# KiCad board hermod-right.kicad_pcb (continued)
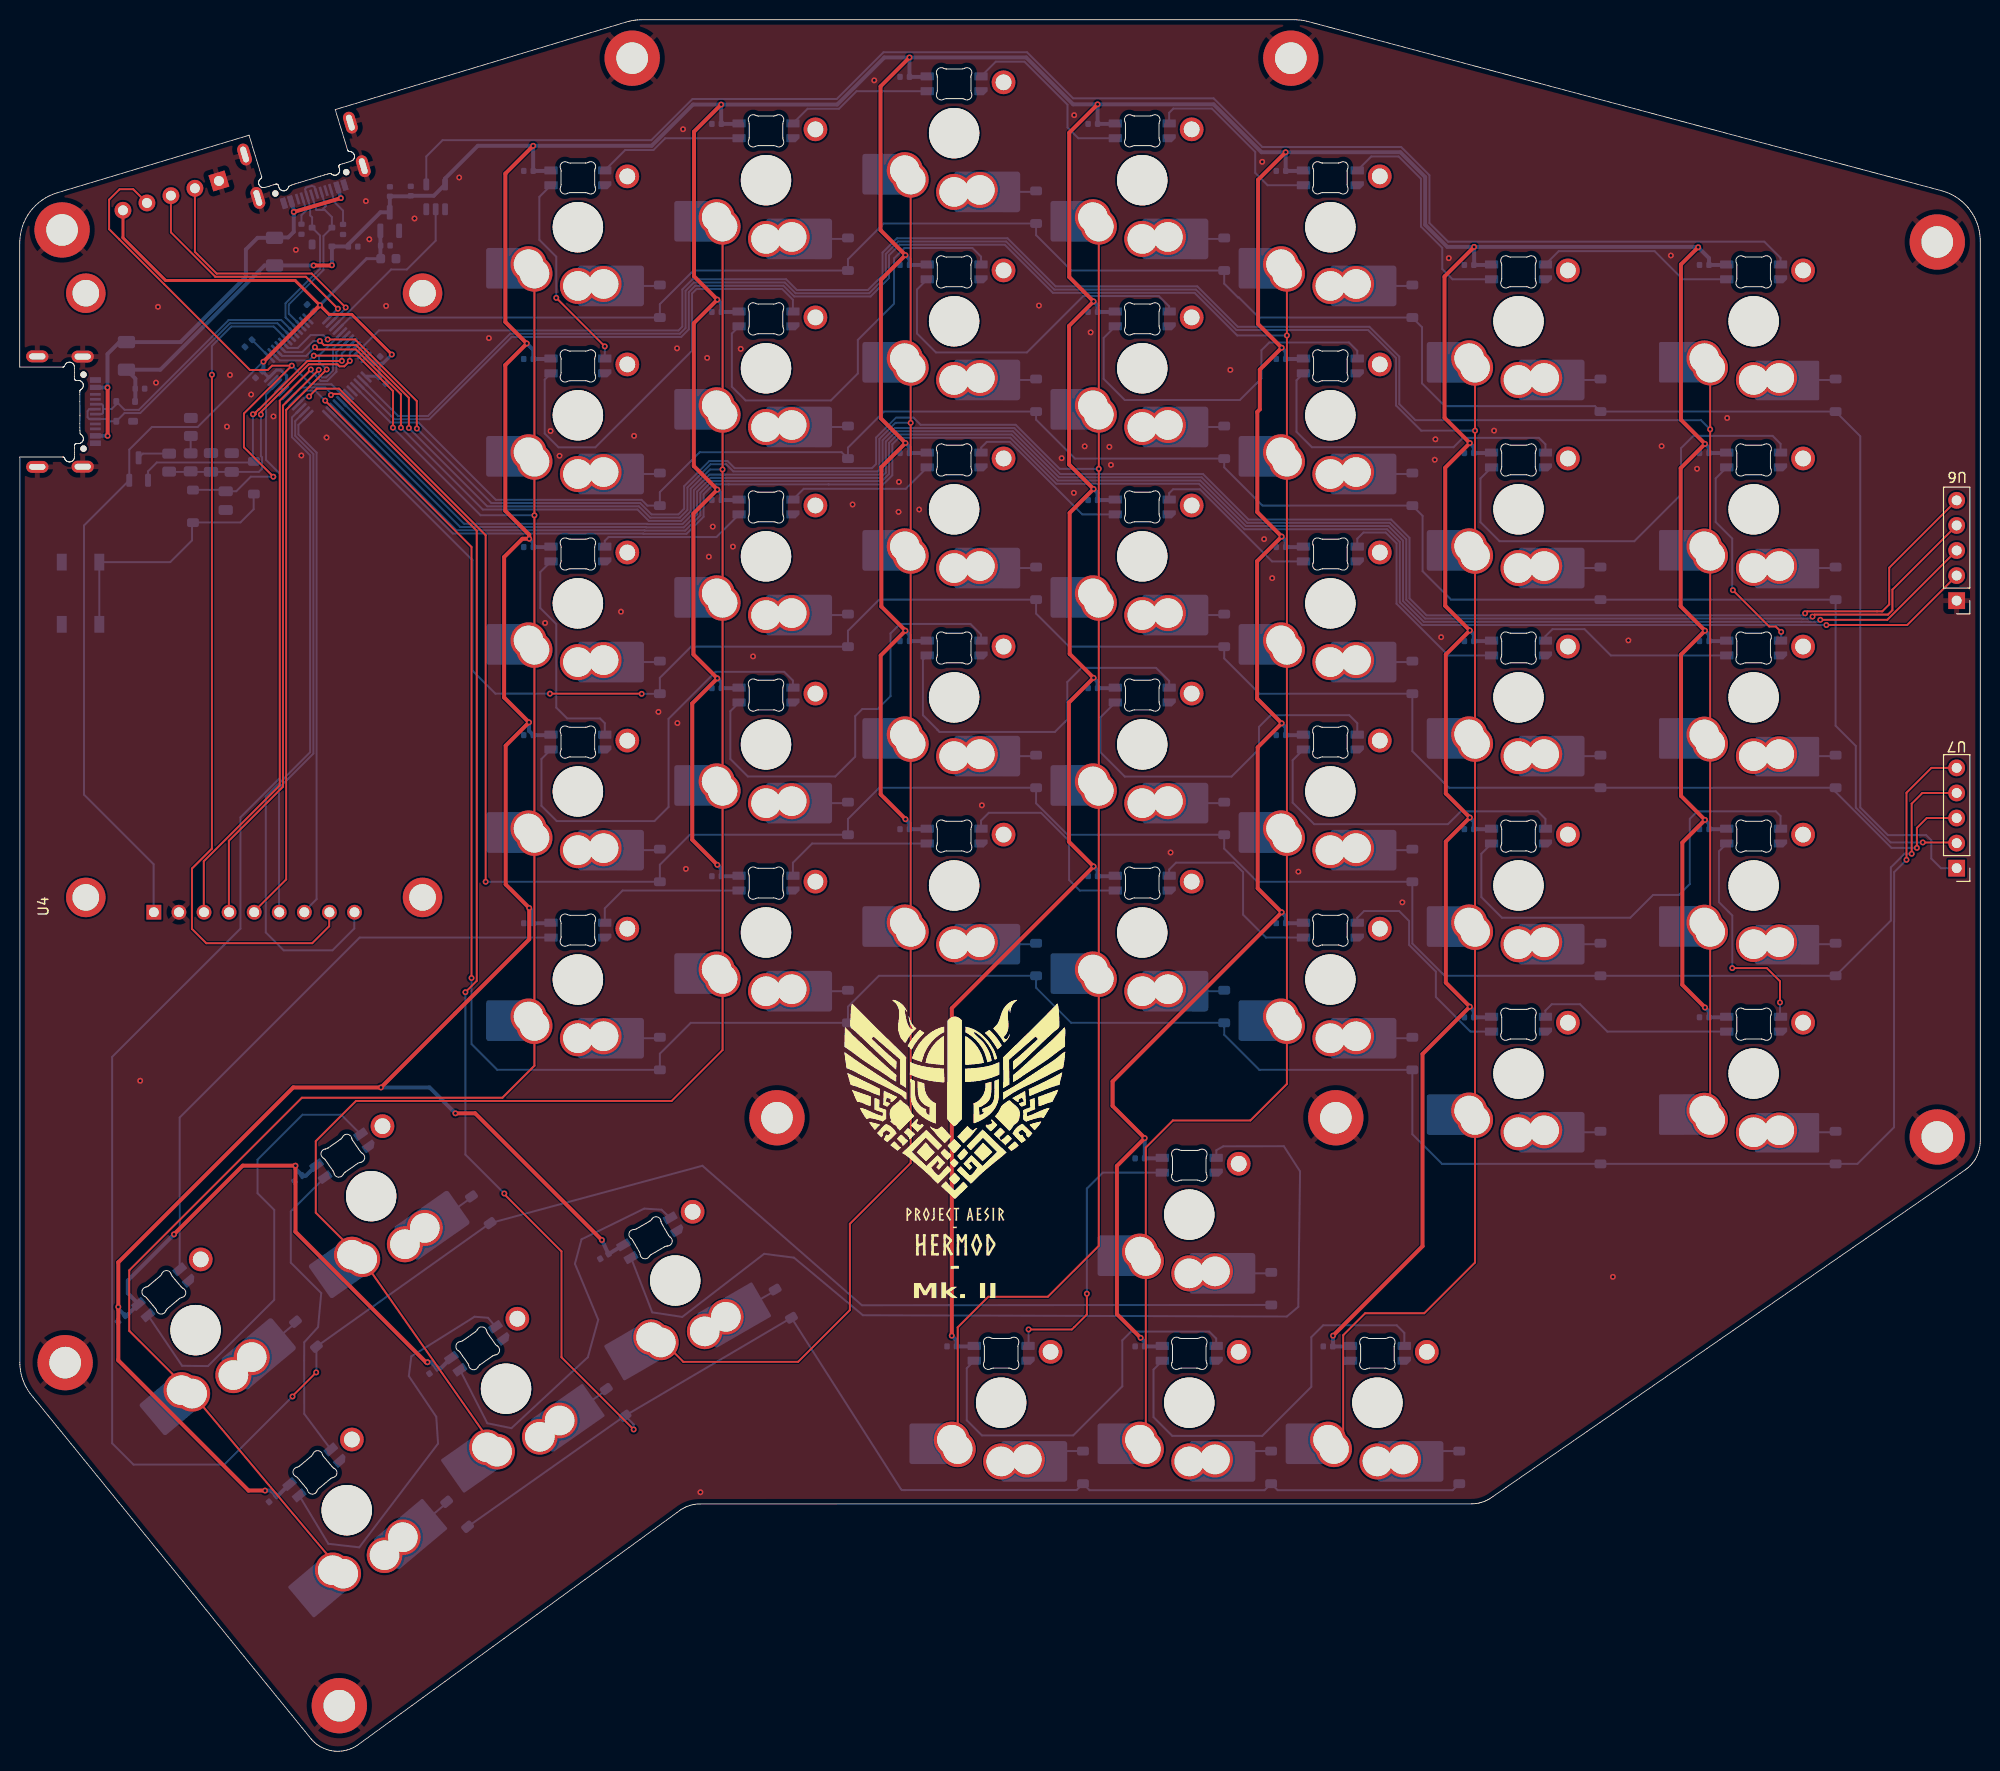
[diagram p0: board, top side]
## Footprints (pads in the part's own frame, mm; a bottom-side part is the same pattern mirrored in y, then rotated)
C_0402_1005Metric
  rrect 0.56x0.62 smd: 1(-0.48,0) 2(0.48,0)
C_0603_1608Metric
  rrect 0.9x0.95 smd: 1(-0.775,0) 2(0.775,0)
C_0805_2012Metric
  rrect 1x1.45 smd: 1(-0.95,0) 2(0.95,0)
CR2013-MI2120
  round 4 hole 2.7: (1.5,6.89) (1.5,-27.21) (62.7,6.89) (62.7,-27.21)
  rect 1.5x1.5 hole 1: 1(0,0)
  round 1.5 hole 1: 2(0,-2.54) 3(0,-5.08) 4(0,-7.62) 5(0,-10.16) 6(0,-12.7) 7(0,-15.24) 8(0,-17.78) 9(0,-20.32)
D_SOD-123
  rrect 0.9x1.2 smd: 1(-1.65,0) 2(1.65,0)
Fuse_1206_3216Metric
  rrect 1.25x1.75 smd: 1(-1.4,0) 2(1.4,0)
KS33_Choc-v2_HS_1.5U
  round 5 hole 5 unplated: (-0.005,0)
  round 5.1 hole 5.1 unplated: (0,0)
  round 3.6 hole 3: 1(4.4,-4.7) 1(4.995,-3.75) 2(-2.6,-5.75) 2(-0.005,-5.95)
  custom 4.294x4.115 smd: 1(8.24,-4.155)
  custom 6.54x4.005 smd: 2(-5.665,-6.003)
  round 2.4 hole 1.6: MP(-5.005,5.15)
KS33_Choc-v2_HS_1.5U#2
  round 5 hole 5 unplated: (-0.005,0)
  round 5.1 hole 5.1 unplated: (0,0)
  round 3.6 hole 3: 1(4.4,-4.7) 1(4.995,-3.75) 2(-2.6,-5.75) 2(-0.005,-5.95)
  custom 4.294x4.115 smd: 1(8.24,-4.155)
  custom 6.54x4.005 smd: 2(-5.665,-6.003)
  round 2.4 hole 1.6: MP(-5.005,5.15)
KS33_Choc-v2_HS_1U
  round 5 hole 5 unplated: (-0.005,0)
  round 5.1 hole 5.1 unplated: (0,0)
  round 3.65 hole 3: 1(4.4,-4.7) 1(4.995,-3.75) 2(-2.6,-5.75) 2(-0.005,-5.95)
  custom 4.027x4.12 smd: 1(8.3,-4.16)
  custom 6.685x4.12 smd: 2(-5.696,-5.952)
  round 2.4 hole 1.6: MP(-5.005,5.15)
KS33_Choc-v2_HS_1U#2
  round 5 hole 5 unplated: (-0.005,0)
  round 5.1 hole 5.1 unplated: (0,0)
  round 3.65 hole 3: 1(4.4,-4.7) 1(4.995,-3.75) 2(-2.6,-5.75) 2(-0.005,-5.95)
  custom 4.027x4.12 smd: 1(8.3,-4.16)
  custom 6.685x4.12 smd: 2(-5.696,-5.952)
  round 2.4 hole 1.6: MP(-5.005,5.15)
LED_choc_6028R
  rrect 1.35x0.82 smd: 1(-2.725,-0.75) 2(-2.725,0.75) 3(2.725,-0.75) 4(2.725,0.75)
LQFP-48_7x7mm_P0.5mm
  rrect 1.475x0.28 smd: 1(-4.162,2.75) 2(-4.162,2.25) 3(-4.162,1.75) 4(-4.162,1.25) 5(-4.162,0.75) 6(-4.162,0.25) 7(-4.162,-0.25) 8(-4.162,-0.75) 9(-4.162,-1.25) 10(-4.162,-1.75) 11(-4.162,-2.25) 12(-4.162,-2.75) 25(4.162,-2.75) 26(4.162,-2.25) 27(4.162,-1.75) 28(4.162,-1.25) 29(4.162,-0.75) 30(4.162,-0.25) 31(4.162,0.25) 32(4.162,0.75) 33(4.162,1.25) 34(4.162,1.75) 35(4.162,2.25) 36(4.162,2.75)
  rrect 0.28x1.475 smd: 13(-2.75,-4.162) 14(-2.25,-4.162) 15(-1.75,-4.162) 16(-1.25,-4.162) 17(-0.75,-4.162) 18(-0.25,-4.162) 19(0.25,-4.162) 20(0.75,-4.162) 21(1.25,-4.162) 22(1.75,-4.162) 23(2.25,-4.162) 24(2.75,-4.162) 37(2.75,4.162) 38(2.25,4.162) 39(1.75,4.162) 40(1.25,4.162) 41(0.75,4.162) 42(0.25,4.162) 43(-0.25,4.162) 44(-0.75,4.162) 45(-1.25,4.162) 46(-1.75,4.162) 47(-2.25,4.162) 48(-2.75,4.162)
MountingHole_3.2mm_M3_DIN965_Pad
  round 5.6 hole 3.2: 1(0,0)
PinHeader_1x05_P2.54mm_Vertical
  rect 1.7x1.7 hole 1: 1(0,0)
  oval 1.7x1.7 hole 1: 2(0,-2.54) 3(0,-5.08) 4(0,-7.62) 5(0,-10.16)
Pogo_2.54mm_5p
  rect 1.7x1.7 hole 1: 1(0,5.11)
  oval 1.7x1.7 hole 1: 2(0,2.57) 3(0,0.03) 4(0,-2.51) 5(0,-5.05)
R_0402_1005Metric
  rrect 0.54x0.64 smd: 1(-0.51,0) 2(0.51,0)
R_0805_2012Metric
  rrect 1.025x1.4 smd: 1(-0.912,0) 2(0.912,0)
SOT95P280X145-5N
  rrect 1.21x0.59 smd: 1(-1.255,0.95) 2(-1.255,0) 3(-1.255,-0.95) 4(1.255,-0.95) 5(1.255,0.95)
SOT-23
  rrect 1.475x0.6 smd: 1(-0.938,0.95) 2(-0.938,-0.95) 3(0.938,0)
SOT-23-3
  rrect 1.325x0.6 smd: 1(-1.137,0.95) 2(-1.137,-0.95) 3(1.137,0)
SOT-143
  rrect 0.7x1 smd: 1(-1,0.75)
  rrect 0.7x0.6 smd: 2(-1,-0.95) 3(1,-0.95) 4(1,0.95)
SW_SPST_TL3342
  rect 1.7x1 smd: 1(-3.15,1.9) 1(3.15,1.9) 2(-3.15,-1.9) 2(3.15,-1.9)
USB_C_Receptacle_HRO_TYPE-C-31-M-14
  round 0.65 hole 0.65 unplated: (-3.75,0) (3.75,0)
  rect 0.54x1.1 smd: A1(-3.2,1.2) A12(3.2,1.2) B1(3.2,1.2) B12(-3.2,1.2)
  rect 0.52x1.1 smd: A4(-2.45,1.2) A9(2.45,1.2) B4(2.45,1.2) B9(-2.45,1.2)
  rect 0.28x1.1 smd: A5(-1.25,1.2) A6(-0.25,1.2) A7(0.25,1.2) A8(1.25,1.2) B5(1.75,1.2) B6(0.75,1.2) B7(-0.75,1.2) B8(-1.75,1.2)
  oval 1.2x2.25 hole 0.6x1.65: S1(-5.595,-4.68) S1(-5.575,-0.08) S1(5.575,-0.08) S1(5.595,-4.68)

## Nets
+3V3: C45.1 C46.1 C47.1 C48.1 C49.1 C109.1 J2.5 Q3.2 U1.1 U1.20 U1.21 U1.24 U1.36 U1.48 U3.2 U4.1
+5V: C1.1 C2.1 C3.1 C4.1 C5.1 C6.1 C7.1 C8.1 C9.1 C10.1 C11.1 C12.1 C13.1 C14.1 C15.1 C16.1 C17.1 C18.1 C19.1 C20.1 C21.1 C22.1 C23.1 C24.1 C25.1 C26.1 C27.1 C28.1 C29.1 C30.1 C31.1 C32.1 C33.1 C34.1 C35.1 C36.1 C37.1 C38.1 C39.1 C40.1 C41.1 C42.1 C43.1 C44.1 C53.1 C100.1 C108.1 C110.1 F1.2 F2.2 LED1.1 LED2.1 LED3.1 LED4.1 LED5.1 LED6.1 LED7.1 LED8.1 LED9.1 LED10.1 LED11.1 LED12.1 LED13.1 LED14.1 LED15.1 LED16.1 LED17.1 LED18.1 LED19.1 LED20.1 LED21.1 LED22.1 LED23.1 LED24.1 LED25.1 LED26.1 LED27.1 LED28.1 LED29.1 LED30.1 LED31.1 LED32.1 LED33.1 LED34.1 LED35.1 LED36.1 LED37.1 LED38.1 LED39.1 LED40.1 LED41.1 LED42.1 LED43.1 LED44.1 U2.4 U3.3 U5.4 U8.5
GND: C1.2 C2.2 C3.2 C4.2 C5.2 C6.2 C7.2 C8.2 C9.2 C10.2 C11.2 C12.2 C13.2 C14.2 C15.2 C16.2 C17.2 C18.2 C19.2 C20.2 C21.2 C22.2 C23.2 C24.2 C25.2 C26.2 C27.2 C28.2 C29.2 C30.2 C31.2 C32.2 C33.2 C34.2 C35.2 C36.2 C37.2 C38.2 C39.2 C40.2 C41.2 C42.2 C43.2 C44.2 C45.2 C46.2 C47.2 C48.2 C49.2 C50.1 C51.1 C52.1 C53.2 C100.2 C108.2 C109.2 C110.2 H1.1 H2.1 H3.1 H4.1 H5.1 H6.1 H7.1 H8.1 H9.1 J1.A1 J1.A12 J1.B1 J1.B12 J1.S1 J2.1 J3.A1 J3.A12 J3.B1 J3.B12 J3.S1 LED1.4 LED2.4 LED3.4 LED4.4 LED5.4 LED6.4 LED7.4 LED8.4 LED9.4 LED10.4 LED11.4 LED12.4 LED13.4 LED14.4 LED15.4 LED16.4 LED17.4 LED18.4 LED19.4 LED20.4 LED21.4 LED22.4 LED23.4 LED24.4 LED25.4 LED26.4 LED27.4 LED28.4 LED29.4 LED30.4 LED31.4 LED32.4 LED33.4 LED34.4 LED35.4 LED36.4 LED37.4 LED38.4 LED39.4 LED40.4 LED41.4 LED42.4 LED43.4 LED44.4 R1.1 R2.2 R5.2 R9.2 RESET1.1 U1.19 U1.23 U1.35 U1.47 U2.1 U3.1 U4.2 U5.1 U6.1 U8.1 U8.3
VBUS: F1.1 F2.1 J1.A4 J1.A9 J1.B4 J1.B9 J3.A4 J3.A9 J3.B4 J3.B9
BOOT0: C50.2 C51.2 R6.2 R7.2 U1.45
BOOT0_CHRG: D45.2 Q3.1 U1.44
col0: CH1.1 CH8.1 CH15.1 CH22.1 CH29.1 CH36.1 CH38.1 U1.26
col1: CH2.1 CH9.1 CH16.1 CH23.1 CH30.1 CH37.1 CH39.1 U1.27
col2: CH3.1 CH10.1 CH17.1 CH24.1 CH31.1 CH40.1 U1.28
col3: CH4.1 CH11.1 CH18.1 CH25.1 CH32.1 CH42.1 U1.29
col4: CH5.1 CH12.1 CH19.1 CH26.1 CH33.1 CH41.1 CH43.1 U1.3
col5: CH6.1 CH13.1 CH20.1 CH27.1 CH34.1 CH44.1 U1.2
col6: CH7.1 CH14.1 CH21.1 CH28.1 CH35.1 U1.46
col7: U1.8 U6.5
col8: U1.9 U6.4
col9: U1.10 U6.3
col10: U1.11 U6.2
D+: J1.A6 J1.B6 U1.34 U2.3
D-: J1.A7 J1.B7 U1.33 U2.2
DOut1: LED1.2 LED8.3
DOut2: LED14.2 LED21.3
DOut3: LED15.2 LED22.3
DOut4: LED28.2 LED35.3
DOut5: LED29.2 LED36.3
HAND_PIN: R5.1 U1.25
LCD_BL_PWM: U1.30 U4.8
LCD_CS: U1.43 U4.3
LCD_DC: U1.41 U4.5
LCD_MISO: U1.15 U4.9
LCD_MOSI: U1.14 U4.6
LCD_RST: U1.42 U4.4
LCD_SCK: U1.13 U4.7
NRST: C52.2 D46.2 J2.4 U1.7
RGB3.3: U1.39 U8.2
RGB5v: LED7.3 U8.4
row0: D1.1 D2.1 D3.1 D4.1 D5.1 D6.1 D7.1 U1.40 U7.1
row1: D8.1 D9.1 D10.1 D11.1 D12.1 D13.1 D14.1 U1.4 U7.2
row2: D15.1 D16.1 D17.1 D18.1 D19.1 D20.1 D21.1 U1.12 U7.3
row3: D22.1 D23.1 D24.1 D25.1 D26.1 D27.1 D28.1 U1.16 U7.4
row4: D29.1 D30.1 D31.1 D32.1 D33.1 D34.1 D35.1 U1.17 U7.5
row5: D36.1 D37.1 D41.1 U1.22
row6: D38.1 D39.1 D40.1 D42.1 D43.1 D44.1 U1.18
SplitSerial-RX: J3.A6 J3.B6 U1.32 U5.3
SplitSerial-TX: J3.A7 J3.B7 U1.31 U5.2
SWCLK: J2.2 U1.38
SWD: J2.3 U1.37
Net-(D1-A): CH1.2 D1.2
Net-(D2-A): CH2.2 D2.2
Net-(D3-A): CH3.2 D3.2
Net-(D4-A): CH4.2 D4.2
Net-(D5-A): CH5.2 D5.2
Net-(D6-A): CH6.2 D6.2
Net-(D7-A): CH7.2 D7.2
Net-(D8-A): CH8.2 D8.2
Net-(D9-A): CH9.2 D9.2
Net-(D10-A): CH10.2 D10.2
Net-(D11-A): CH11.2 D11.2
Net-(D12-A): CH12.2 D12.2
Net-(D13-A): CH13.2 D13.2
Net-(D14-A): CH14.2 D14.2
Net-(D15-A): CH15.2 D15.2
Net-(D16-A): CH16.2 D16.2
Net-(D17-A): CH17.2 D17.2
Net-(D18-A): CH18.2 D18.2
Net-(D19-A): CH19.2 D19.2
Net-(D20-A): CH20.2 D20.2
Net-(D21-A): CH21.2 D21.2
Net-(D22-A): CH22.2 D22.2
Net-(D23-A): CH23.2 D23.2
Net-(D24-A): CH24.2 D24.2
Net-(D25-A): CH25.2 D25.2
Net-(D26-A): CH26.2 D26.2
Net-(D27-A): CH27.2 D27.2
Net-(D28-A): CH28.2 D28.2
Net-(D29-A): CH29.2 D29.2
Net-(D30-A): CH30.2 D30.2
Net-(D31-A): CH31.2 D31.2
Net-(D32-A): CH32.2 D32.2
Net-(D33-A): CH33.2 D33.2
Net-(D34-A): CH34.2 D34.2
Net-(D35-A): CH35.2 D35.2
Net-(D36-A): CH36.2 D36.2
Net-(D37-A): CH37.2 D37.2
Net-(D38-A): CH38.2 D38.2
Net-(D39-A): CH39.2 D39.2
Net-(D40-A): CH40.2 D40.2
Net-(D41-A): CH41.2 D41.2
Net-(D42-A): CH42.2 D42.2
Net-(D43-A): CH43.2 D43.2
Net-(D44-A): CH44.2 D44.2
Net-(D45-K): D45.1 D46.1 RESET1.2
Net-(J1-CC1): J1.A5 R1.2
Net-(J1-CC2): J1.B5 R2.1
Net-(LED1-DIN): LED1.3 LED2.2
Net-(LED2-DIN): LED2.3 LED3.2
Net-(LED3-DIN): LED3.3 LED4.2
Net-(LED4-DIN): LED4.3 LED5.2
Net-(LED5-DIN): LED5.3 LED6.2
Net-(LED6-DIN): LED6.3 LED7.2
Net-(LED8-DOUT): LED8.2 LED9.3
Net-(LED10-DIN): LED9.2 LED10.3
Net-(LED10-DOUT): LED10.2 LED11.3
Net-(LED11-DOUT): LED11.2 LED12.3
Net-(LED12-DOUT): LED12.2 LED13.3
Net-(LED13-DOUT): LED13.2 LED14.3
Net-(LED15-DIN): LED15.3 LED16.2
Net-(LED16-DIN): LED16.3 LED17.2
Net-(LED17-DIN): LED17.3 LED18.2
Net-(LED18-DIN): LED18.3 LED19.2
Net-(LED19-DIN): LED19.3 LED20.2
Net-(LED20-DIN): LED20.3 LED21.2
Net-(LED22-DOUT): LED22.2 LED23.3
Net-(LED23-DOUT): LED23.2 LED24.3
Net-(LED24-DOUT): LED24.2 LED25.3
Net-(LED25-DOUT): LED25.2 LED26.3
Net-(LED26-DOUT): LED26.2 LED27.3
Net-(LED27-DOUT): LED27.2 LED28.3
Net-(LED29-DIN): LED29.3 LED30.2
Net-(LED30-DIN): LED30.3 LED31.2
Net-(LED31-DIN): LED31.3 LED32.2
Net-(LED32-DIN): LED32.3 LED33.2
Net-(LED33-DIN): LED33.3 LED34.2
Net-(LED34-DIN): LED34.3 LED35.2
Net-(LED36-DOUT): LED36.2 LED37.3
Net-(LED37-DOUT): LED37.2 LED38.3
Net-(LED38-DOUT): LED38.2 LED39.3
Net-(LED39-DOUT): LED39.2 LED40.3
Net-(LED40-DOUT): LED40.2 LED41.3
Net-(LED41-DOUT): LED41.2 LED42.3
Net-(LED42-DOUT): LED42.2 LED43.3
Net-(LED43-DOUT): LED43.2 LED44.3
Net-(Q3-C): Q3.3 R6.1
Net-(R7-Pad1): R7.1 R9.1

Pads without a net: CH1 MP; CH2 MP; CH3 MP; CH4 MP; CH5 MP; CH6 MP; CH7 MP; CH8 MP; CH9 MP; CH10 MP; CH11 MP; CH12 MP; CH13 MP; CH14 MP; CH15 MP; CH16 MP; CH17 MP; CH18 MP; CH19 MP; CH20 MP; CH21 MP; CH22 MP; CH23 MP; CH24 MP; CH25 MP; CH26 MP; CH27 MP; CH28 MP; CH29 MP; CH30 MP; CH31 MP; CH32 MP; CH33 MP; CH34 MP; CH35 MP; CH36 MP; CH37 MP; CH38 MP; CH39 MP; CH40 MP; CH41 MP; CH42 MP; CH43 MP; CH44 MP; J1 A8 B8; J3 A5 A8 B5 B8; LED44 2; U1 5 6

## Via types
v1: diameter 0.6, hole 0.3, Top to Bottom, 176 vias

## Routing (per net, layer and track width the routed paths; a pad name or vN(x,y) marks a point on that pad's centre or on a via; arc(x,y) is an arc through that point)
+3V3: length 138.3
  Top w0.3: v1(37.68,141.47) 33.61,145.54 31.32,145.54 v1(30.4,146.46) 27.89,148.97 14.78,148.97 10.45,153.3 J2.5
  Top w0.4: v1(30.4,146.46) v1(24.68,140.74)
  Bottom w0.2: C47.1 29.79,145.85 v1(30.4,146.46) ; 13.56,85.04 13.56,89.84 6.51,96.89 6.51,124.15 Q3.2 11.09,131.84 13.39,134.13 18.02,134.13 24.63,140.74 v1(24.68,140.74) ; C48.1 36.39,139.27
  Bottom w0.3: U1.20 U1.21 27.03,138.81 27.03,139.31 26.45,139.89 25.99,139.89 U1.24 25.15,139.19 C46.1 ; v1(30.4,146.46) 35.11,151.18 C45.1 ; U1.1 35.15,139.27 36.39,139.27 36.39,140.18 v1(37.68,141.47) 36.8,140.59 C49.1 35.22,141.19 U1.48 ; U1.36 29.18,145.26 C47.1
  Bottom w0.4: 36.52,151.2 36.52,154 ; C46.1 24.68,139.91 v1(24.68,140.74)
+5V: length 1242.4
  Top w0.4: v1(169.96,152.34) 168.22,150.59 168.22,134.86 v1(170.65,132.42) 168.19,129.96 168.19,115.97 v1(170.65,113.5) 168.23,111.08 168.23,96.76 v1(170.65,94.33) 168.36,92.04 168.36,77.63 v1(170.65,75.33) ; v1(132.99,42.09) 142.05,51.16 142.05,70.62 v1(146.84,75.41) 144.41,77.85 144.41,92.14 v1(146.84,94.57) 144.41,97.01 144.41,111.09 v1(146.84,113.52) 144.35,116.02 144.35,130.01 v1(146.84,132.5) 144.28,135.07 144.28,149.37 v1(147.28,152.37) ; v1(58.95,51.78) 46.12,64.61 v1(44.12,64.61) ; v1(90.1,171.56) 87.17,168.63 87.17,154.07 v1(89.69,151.54) 87.2,149.05 87.2,135.01 v1(89.69,132.51) 87.25,130.07 87.25,115.95 v1(89.69,113.5) 87.18,110.99 87.18,96.92 v1(89.69,94.4) ; v1(24.84,26.4) 23.17,26.4 9.98,39.59 v1(9.98,45) 9.98,49.52 27.69,67.23 v1(36.58,67.23) 51.59,82.25 v1(51.59,85.41) 49.21,87.8 49.21,101.85 v1(51.57,104.21) 49.05,106.73 49.05,120.96 50.9,122.81 v1(51.59,122.81) 51.59,123.22 49.17,125.64 49.17,140.41 v1(51.35,142.59) 49.18,144.76 49.18,159.8 v1(51.99,162.61) ; v1(113.5,41.87) 111.1,44.28 111.1,59.28 v1(113.92,62.1) 110.66,65.36 110.66,67.85 v1(127.79,84.97) 125.36,87.41 125.36,101.69 v1(127.79,104.12) 125.3,106.62 125.3,120.54 v1(127.79,123.03) 125.32,125.51 125.32,135.67 125.57,135.92 125.57,139.95 v1(127.79,142.16) 125.4,144.56 125.4,159.17 v1(128.19,161.96) ; v1(15.62,52.35) 22.58,59.31 v1(27.92,59.31) 27.92,52.61 41.13,39.4 v1(41.29,39.4) ; v1(71.03,166.79) 68.28,164.04 68.28,149.4 v1(70.64,147.03) 68.26,144.65 68.26,130.18 v1(70.64,127.79) 68.22,125.37 68.22,111.1 v1(70.64,108.67) 68.1,106.13 68.1,92.33 v1(70.64,89.78) ; v1(109.15,166.81) 106.28,163.94 106.28,149.32 v1(108.74,146.85) 106.26,144.37 106.26,130.34 v1(108.74,127.85) 106.32,125.43 106.32,111.15 v1(108.74,108.72) 106.24,106.22 106.24,92.13 v1(108.74,89.62) 94.38,75.26 v1(94.38,42.09) ; v1(29.76,150.49) 31.59,150.49 v1(31.61,150.51)
  Bottom w0.2: 11.71,136.74 U5.4 ; 39.55,157.5 C53.1
  Bottom w0.4: v1(70.64,89.78) 71.05,89.38 C30.1 72.79,88.63 LED30.1 ; v1(108.74,89.62) 109.15,89.22 C32.1 110.89,88.63 LED32.1 ; LED7.1 172.81,150.54 C7.1 171.06,151.24 v1(169.96,152.34) 169.93,152.37 v1(147.28,152.37) ; v1(127.79,104.12) 128.2,103.72 C26.1 129.94,102.92 LED26.1 ; LED44.1 134.71,41.01 C44.1 132.99,41.03 v1(132.99,42.09) ; v1(15.62,52.35) 10.95,47.68 10.95,46.38 LED36.1 10.83,44.12 C36.1 9.98,44.82 v1(9.98,45) ; v1(128.19,161.96) 125.75,161.96 120.9,166.81 v1(109.15,166.81) ; v1(128.19,161.96) 139.81,161.96 142.32,159.45 142.32,154.61 144.56,152.37 v1(147.28,152.37) ; v1(128.19,161.96) 128.19,160.08 C5.1 129.94,160.07 LED5.1 ; LED11.1 110.89,145.78 C11.1 109.15,146.45 v1(108.74,146.85) ; v1(58.95,51.78) C40.1 LED40.1 ; v1(113.5,41.87) 113.91,41.47 C43.1 115.66,41.01 LED43.1 ; v1(94.38,42.09) 94.86,41.61 C42.1 96.61,41.01 LED42.1 ; C110.1 33.28,152.63 36.52,155.88 U3.3 ; v1(90.1,171.56) 87.55,171.56 82.78,166.79 v1(71.03,166.79) ; v1(90.1,171.56) C3.1 91.84,169.59 LED3.1 ; v1(90.1,171.56) 101.92,171.56 106.67,166.81 v1(109.15,166.81) ; 149.04,131.54 148.99,131.49 C13.1 147.25,132.1 v1(146.84,132.5) ; LED14.1 172.81,131.49 C14.1 171.06,132.02 v1(170.65,132.42) ; 37.48,155.96 37.48,157.5 ; v1(51.99,162.61) 63.99,162.61 68.17,166.79 v1(71.03,166.79) ; v1(51.99,162.61) 51.99,160.08 C1.1 53.74,160.07 LED1.1 ; v1(51.99,162.61) 46.38,162.61 43.07,159.3 U8.5 41.92,157.55 C53.1 ; v1(109.15,166.81) C4.1 110.89,164.83 LED4.1 ; v1(89.69,94.4) 90.1,94 C31.1 91.84,93.39 LED31.1 ; v1(36.58,67.23) 41.5,67.23 v1(44.12,64.61) ; 33.26,152.42 U2.4 31.61,152.42 v1(31.61,150.51) ; v1(108.74,108.72) 109.15,108.32 C25.1 110.89,107.68 LED25.1 ; v1(51.59,122.81) 52,122.41 C15.1 53.74,121.97 LED15.1 ; v1(27.92,59.31) 27.92,59 C37.1 28.99,58.3 LED37.1 ; 149.04,150.59 148.99,150.54 C6.1 147.28,150.57 v1(147.28,152.37) ; LED8.1 53.74,141.02 C8.1 52,141.94 v1(51.35,142.59) ; v1(108.74,127.85) 109.15,127.45 C18.1 110.89,126.73 LED18.1 ; v1(70.64,108.67) 71.05,108.27 C23.1 72.79,107.68 LED23.1 ; v1(146.84,75.41) 147.25,75.01 C34.1 148.99,74.34 149.04,74.39 ; v1(113.92,62.1) 113.92,60.06 C41.1 115.66,60.06 LED41.1 ; LED12.1 129.94,141.02 C12.1 128.2,141.76 v1(127.79,142.16) ; LED22.1 53.74,102.92 C22.1 51.57,103.35 v1(51.57,104.21) ; v1(70.64,147.03) 71.05,146.63 C9.1 72.79,145.78 LED9.1 ; LED19.1 129.94,121.97 C19.1 128.2,122.63 v1(127.79,123.03) ; v1(146.84,94.57) 147.25,94.17 C27.1 148.99,93.39 149.04,93.44 ; LED24.1 91.84,112.44 C24.1 90.1,113.1 v1(89.69,113.5) ; LED35.1 172.81,74.34 C35.1 171.06,74.93 v1(170.65,75.33) ; LED10.1 91.84,150.54 C10.1 90.1,151.14 v1(89.69,151.54) ; v1(146.84,113.52) 147.25,113.12 C20.1 148.99,112.44 149.04,112.49 ; v1(24.84,26.4) 25.46,26.4 C38.1 26.13,25.88 LED38.1 ; v1(71.03,166.79) 71.03,164.85 C2.1 72.79,164.83 LED2.1 ; LED29.1 53.74,83.87 C29.1 52,85.01 v1(51.59,85.41) ; LED16.1 72.79,126.73 C16.1 71.05,127.39 v1(70.64,127.79) ; LED21.1 172.81,112.44 C21.1 171.06,113.1 v1(170.65,113.5) ; v1(41.29,39.4) 41.66,39.4 C39.1 42.64,38.8 LED39.1 ; LED28.1 172.81,93.39 C28.1 171.06,93.93 v1(170.65,94.33) ; 11.71,136.74 11.71,139.03 F2.2 14.23,139.93 24.79,150.49 F1.2 v1(29.76,150.49) ; v1(127.79,84.97) 128.2,84.57 C33.1 129.94,83.87 LED33.1 ; C108.1 39.55,157.5 ; LED17.1 91.84,131.49 C17.1 90.1,132.11 v1(89.69,132.51)
GND: length 0.8
  Bottom w0.4: 24.65,156.79 J1.S1
  vias: v1(12.2,67.91) v1(13.8,138.62) v1(14,146.3) v1(20.98,134.17) v1(21.29,139.4) v1(23.43,137.42) v1(25.69,135.2) v1(27.96,152.07) v1(28.52,131.24) v1(31.07,133.06) v1(35.05,157.01) v1(35.4,153.14) v1(37.1,146.39) v1(39.98,155.25) v1(44.5,159.4) v1(47.51,143.13) v1(53.2,114.28) v1(53.75,133.72) v1(54.66,131.21) v1(60.88,115.42) v1(62.21,133.23) v1(64.68,105.27) v1(66.56,142.1) v1(66.6,104.14) v1(67.17,164.29) v1(67.46,89.37) v1(68.93,26.23) v1(69.61,141.13) v1(69.78,120.99) v1(70.18,124.04) v1(72.22,122.01) v1(73.01,142.04) v1(74.26,110.89) v1(84.34,126.28) v1(86.53,169.24) v1(88.99,125.53) v1(89.03,128.57) v1(91.08,125.77) v1(97.43,95.81) v1(103.21,146.43) v1(105.51,130.97) v1(106.78,165.71) v1(106.74,127.46) v1(107.84,132.17) v1(108.44,143.71) v1(110.34,132.12) v1(110.5,130.29) v1(116.54,91.03) v1(122.59,139.91) v1(125.82,160.99) v1(126.01,122.77) v1(126.83,118.82) v1(129.48,89.09) v1(140.01,85.98) v1(143.29,130.81) v1(143.36,132.88) v1(143.94,112.84) v1(144.71,151.23) v1(149.3,133.76) v1(161.33,48.05) v1(162.9,112.51) v1(166.26,132.19) v1(167.2,151.5) v1(169.85,129.9) v1(172.9,135.04)
VBUS: length 45.7
  Top w0.2: 8.9,138.11 v1(8.89,138.12)
  Top w0.4: v1(27.75,155.91) v1(32.52,157.31) ; v1(8.9,133.23) 8.9,138.11
  Bottom w0.2: 7.67,138.12 J3.A9 ; 10.13,142.93 10.15,142.95 ; 8.89,133.24 v1(8.9,133.23)
  Bottom w0.4: J3.A4 8.89,133.24 ; F1.1 24.08,153.29 22.9,152.11 22.9,149.35 16.29,142.73 F2.1 10.1,142.73 8.89,141.52 v1(8.89,138.12) 7.67,138.12 ; J1.A4 27.75,156.09 v1(27.75,155.91) 27.75,155.46 27.75,155.46 27.75,153.9 27.19,153.33 25.82,153.33 ; v1(32.52,157.31) J1.A9
BOOT0: length 28.3
  Top w0.2: v1(24.42,135.39) 24.42,135.64 29.26,140.49 32.18,140.49 32.39,140.27 32.86,140.27 v1(33.42,140.83)
  Bottom w0.2: v1(24.42,135.39) 24.42,131.18 24.54,131.06 24.54,129.91 24.21,129.58 C50.2 15.15,129.58 R6.2 ; U1.45 33.42,141.66 v1(33.42,140.83)
BOOT0_CHRG: length 30.5
  Top w0.2: v1(32.62,140.83) 32.6,140.81 29.13,140.81 24.23,135.92 24.2,135.92 23.89,135.61 23.89,135.42 v1(23.61,135.42)
  Bottom w0.2: Q3.1 12.99,129.65 13.88,130.54 23.69,130.54 23.61,130.61 v1(23.61,135.42) ; v1(32.62,140.83) 32.62,141.57 U1.44
col0: length 204.6
  Top w0.2: v1(37.79,134.07) 37.79,137.78 34.22,141.36 v1(29.78,141.36) ; CH38.1 CH36.1 11.09,42.59 11.09,48.71 28.57,66.19 48.88,66.19 52.12,69.43 CH29.1 CH22.1 CH15.1 v1(52.12,125.18) CH8.1 CH1.1
  Bottom w0.2: v1(29.78,141.36) 29.29,140.87 26.32,140.87 U1.26 ; v1(52.12,125.18) 52.11,125.19 46.66,125.19 v1(37.79,134.07)
col1: length 224.6
  Top w0.2: CH2.1 CH9.1 CH16.1 CH23.1 CH30.1 71.17,71.02 66.01,65.87 34.05,65.87 29.98,61.79 29.98,54.55 CH37.1 CH39.1 ; v1(38.6,134.07) 38.6,137.44 34.05,141.98 30.12,141.98 v1(29.89,142.21)
  Bottom w0.2: v1(71.17,129.83) 69.9,129.83 67.94,127.87 67.94,125.59 66.97,124.62 63.7,124.62 62.56,125.77 46.9,125.77 v1(38.6,134.07) ; v1(29.89,142.21) 29.01,141.33 26.57,141.33 U1.27
col2: length 220.7
  Top w0.2: CH3.1 CH10.1 v1(90.22,134.55) CH17.1 CH24.1 CH31.1 90.22,59.58 84.06,53.42 84.06,44.68 78.82,39.44 67.2,39.44 65.23,41.41 CH40.1 ; v1(30.39,142.84) 30.81,142.42 34.08,142.42 39.41,137.09 v1(39.41,134.03)
  Bottom w0.2: U1.28 26.89,141.72 28.6,141.72 29.73,142.84 v1(30.39,142.84) ; v1(90.22,134.55) 88.67,134.55 87.05,132.93 87.05,129.79 86.89,129.63 72.26,129.63 71.53,130.36 69.97,130.36 67.61,128 67.61,125.72 66.84,124.95 63.84,124.95 62.69,126.1 47.34,126.1 v1(39.41,134.03)
col3: length 235.4
  Top w0.2: CH4.1 CH11.1 CH18.1 CH25.1 CH32.1 109.27,51.19 104.11,46.03 98.08,46.03 94.98,42.94 CH42.1 ; v1(31.18,143) 33.96,143 40.21,136.75 v1(40.21,133.97)
  Bottom w0.2: v1(109.27,129.89) 105.31,129.89 100.85,134.35 91.23,134.35 90.5,135.08 88.74,135.08 86.72,133.06 86.72,130.38 86.3,129.96 72.4,129.96 71.67,130.69 69.83,130.69 67.28,128.14 67.28,125.86 66.7,125.28 63.98,125.28 62.83,126.43 47.76,126.43 v1(40.21,133.97) ; v1(31.18,143) 30.74,143.44 29.46,143.44 28.15,142.14 27.18,142.14 U1.29
col4: length 240.6
  Top w0.2: CH43.1 CH41.1 114.03,61.15 116.78,63.89 124.62,63.89 128.32,67.59 CH33.1 CH26.1 CH19.1 CH12.1 v1(128.32,143.4) CH5.1
  Bottom w0.2: U1.3 37.93,134.92 41.48,134.92 49.81,143.25 66.98,143.25 67.75,144.02 67.75,147.79 68.4,148.44 77.34,148.44 78.42,147.35 86.16,147.35 88.03,149.22 88.03,151.53 89.09,152.59 99.75,152.59 104.62,147.72 118.97,147.72 123.29,143.4 v1(128.32,143.4)
col5: length 255.6
  Top w0.2: CH44.1 134.02,31.54 134.02,42.14 136.24,44.36 142.23,44.36 147.37,49.5 CH34.1 CH27.1 CH20.1 CH13.1 v1(147.37,133.76) CH6.1
  Bottom w0.2: v1(147.37,133.76) 141.92,133.76 139.37,136.31 139.37,141.12 136.54,143.95 123.2,143.95 119.11,148.05 104.76,148.05 99.89,152.92 88.96,152.92 87.7,151.66 87.7,149.36 86.02,147.68 78.56,147.68 77.47,148.77 68.27,148.77 67.42,147.93 67.42,144.16 66.85,143.58 49.67,143.58 41.34,135.25 38.31,135.25 U1.2
col6: length 233
  Top w0.2: CH35.1 CH28.1 CH21.1 CH14.1 v1(171.18,133.89) CH7.1
  Bottom w0.2: U1.46 36.37,143.91 66.71,143.91 67.1,144.3 67.1,148.06 68.13,149.1 77.61,149.1 78.69,148.01 85.89,148.01 87.37,149.49 87.37,151.8 88.82,153.25 100.02,153.25 104.89,148.38 119.24,148.38 123.34,144.28 136.68,144.28 139.7,141.26 139.7,136.45 141.32,134.82 170.25,134.82 v1(171.18,133.89)
col7: length 194.3
  Top w0.2: U6.5 189.31,119.87 189.31,116.16 188.6,115.46 180.99,115.46 v1(180.79,115.26)
  Bottom w0.2: U1.8 35.73,133.58 35.73,133.58 36.04,133.27 36.05,133.27 44.99,124.33 63.54,124.33 63.57,124.3 67.11,124.3 68.27,125.45 68.27,127.73 69.84,129.31 70.95,129.31 70.95,129.31 71.39,129.31 71.39,129.31 87.03,129.31 87.38,129.65 87.38,132.79 88.61,134.03 100.71,134.03 105.37,129.37 119.82,129.37 124.43,124.76 138.87,124.76 140.73,122.9 140.73,116.78 142.45,115.06 180.59,115.06 v1(180.79,115.26)
col8: length 192.8
  Top w0.2: U6.4 189.64,117.66 189.64,115.59 189.18,115.13 181.75,115.13 v1(181.55,114.93)
  Bottom w0.2: v1(181.55,114.93) 181.35,114.73 181.01,114.73 181.01,114.73 180.57,114.73 142.31,114.73 140.4,116.64 140.4,122.76 138.74,124.43 124.3,124.43 119.69,129.04 105.24,129.04 100.58,133.7 88.75,133.7 87.7,132.66 87.7,129.52 87.17,128.98 71.52,128.98 71.52,128.98 70.81,128.98 70.81,128.98 69.98,128.98 68.59,127.6 68.59,125.32 67.25,123.97 63.43,123.97 63.4,124 44.61,124 U1.9
col9: length 191
  Top w0.2: U6.3 189.12,114.6 v1(182.33,114.6)
  Bottom w0.2: U1.10 44.23,123.67 63.27,123.67 63.3,123.64 67.38,123.64 68.92,125.18 68.92,127.46 70.11,128.65 70.68,128.65 70.68,128.65 71.66,128.65 71.66,128.65 87.3,128.65 88.03,129.38 88.03,132.52 88.88,133.37 100.44,133.37 105.1,128.71 119.55,128.71 124.16,124.1 138.6,124.1 140.08,122.63 140.08,116.51 142.18,114.4 180.44,114.4 181.15,114.4 181.15,114.4 181.33,114.4 181.33,114.4 181.76,114.4 182.14,114.4 v1(182.33,114.6)
col10: length 190.5
  Top w0.2: U6.2 191.13,114.07 v1(182.95,114.07)
  Bottom w0.2: U1.11 43.85,123.34 63.13,123.34 63.16,123.31 67.52,123.31 69.25,125.04 69.25,127.32 70.25,128.32 70.54,128.32 70.54,128.32 71.8,128.32 71.8,128.32 81.91,128.32 81.92,128.31 87.43,128.31 88.36,129.24 88.36,132.38 89.02,133.04 100.31,133.04 104.97,128.38 119.42,128.38 124.03,123.77 138.47,123.77 139.75,122.49 139.75,116.37 142.04,114.07 180.3,114.07 180.3,114.07 181.9,114.07 181.9,114.07 182.11,114.07 182.55,114.07 182.55,114.07 v1(182.95,114.07)
D+: length 18.9
  Bottom w0.2: 29.56,157.65 29.92,156.51 30.03,156.11 30.6,156.11 ; 30.51,157.95 30.98,156.51 30.98,156.49 30.6,156.11 ; 30.6,156.11 30.9,156.11 31.61,155.4 U2.3 30.76,153.47 30.76,150.04 27.24,146.53 27.24,145.61 U1.34
D-: length 18.4
  Bottom w0.2: U1.33 26.92,145.23 26.92,146.67 30.41,150.16 30.41,153.52 U2.2 29.61,155.36 29.4,155.57 29.4,156.43 29.08,157.51 ; 29.08,157.51 28.89,158.21 28.98,158.38 29.59,158.57 29.84,158.46 30.04,157.8
DOut1: length 20.8
  Top w0.2: v1(54.33,147.21) v1(59.24,142.3)
  Bottom w0.2: LED1.2 52.62,157.44 52.62,153.08 54.33,151.37 v1(54.33,147.21) ; v1(59.24,142.3) LED8.3
DOut2: length 21.2
  Top w0.2: v1(173.48,117.6) 177.16,113.92 177.83,113.92 v1(178.37,113.38)
  Bottom w0.2: LED21.3 178.37,112.56 v1(178.37,113.38) ; LED14.2 171.74,128.93 171.74,124.5 173.41,122.83 173.41,117.67 v1(173.48,117.6)
DOut3: length 22.7
  Bottom w0.2: LED22.3 59.24,104.13 58.76,104.61 55.43,104.61 54.33,105.71 54.33,114.17 52.71,115.79 52.71,119.43 LED15.2
DOut4: length 22.5
  Top w0.2: v1(178.25,75.84) 178.25,77.99 176.92,79.32 v1(173.42,79.32)
  Bottom w0.2: v1(173.42,79.32) 173.42,84.65 172.07,86 172.07,91.16 LED28.2 ; v1(178.25,75.84) 178.25,74.45 LED35.3
DOut5: length 60.5
  Bottom w0.2: LED36.3 16.2,64.19 34.42,82.42 LED29.2
HAND_PIN: length 2.5
  Bottom w0.2: R5.1 25.29,141.2 U1.25
LCD_BL_PWM: length 85.6
  Top w0.2: v1(19.46,139.42) 19.46,91.43 17.44,89.41 17.44,83.29 18.89,81.84 29.62,81.84 31.34,83.56 31.34,85.04
  Bottom w0.2: U1.30 25.71,144.31 21.43,144.31 19.46,142.34 v1(19.46,139.42)
LCD_CS: length 66.7
  Top w0.2: v1(29.48,139.95) 29.48,139.94 26.33,136.79 26.33,97.83 18.64,90.14 18.64,85.04
  Bottom w0.2: U1.43 32.06,141.72 32.06,139.73 32.06,139.73 31.17,138.84 31.17,138.84 31.12,138.79 30.5,138.79 30.46,138.84 30.45,138.84 29.95,139.34 29.95,139.34 29.48,139.81 v1(29.48,139.95)
LCD_DC: length 62.9
  Top w0.2: 23.72,85.04 26.98,88.31 26.98,135.86 31.08,139.96 v1(31.08,139.96)
  Bottom w0.2: v1(31.08,139.96) 30.31,140.73 30.31,141.38 U1.41
LCD_MISO: length 68.4
  Bottom w0.2: U1.15 27.57,135.1 27.57,133.1 29.41,131.26 29.41,101.19 24.92,96.7 24.92,82.93 26.73,81.12 31.67,81.12 33.88,83.33 33.88,85.04
LCD_MOSI: length 53.2
  Bottom w0.2: U1.14 27.89,134.72 27.89,133.24 29.73,131.4 29.73,101.05 26.26,97.57 26.26,85.04
LCD_RST: length 64.9
  Top w0.2: 21.18,85.04 21.18,92.22 26.65,97.7 26.65,136.3 v1(30.28,139.92)
  Bottom w0.2: v1(30.28,139.92) 30.28,139.47 30.59,139.16 31.03,139.16 31.73,139.86 31.73,142.09 U1.42
LCD_SCK: length 51.9
  Bottom w0.2: U1.13 28.22,134.34 28.22,133.38 30.06,131.53 30.06,86.31 28.8,85.04
NRST: length 62.6
  Top w0.2: v1(25.68,129.1) 22.7,132.08 22.7,135.5 v1(27.55,140.35) 25.55,140.35 25.11,139.9 23.31,139.9 14.62,148.6 14.62,148.6 10.07,153.14 9.05,154.17 9.05,157.15 10.11,158.21 11.49,158.21 J2.4
  Bottom w0.2: v1(27.55,140.35) 27.58,140.35 29.46,138.46 31.56,138.46 U1.7 ; v1(25.68,129.1) 23.4,129.1 21.93,127.62 C52.2 20.79,127.62 20.64,127.77 17.45,127.77
RGB3.3: length 17
  Bottom w0.2: U1.39 37.6,150.08 39.2,150.08 42.12,153.01 U8.2
RGB5v: length 156.5
  Bottom w0.2: LED7.3 178.31,151.26 176.66,152.9 144.64,152.9 142.75,154.79 142.75,159.63 139.89,162.49 125.83,162.49 120.89,167.42 106.66,167.42 102,172.09 87.47,172.09 82.73,167.35 68.12,167.35 63.95,163.18 42.82,163.18 41.17,161.53 U8.4
row0: length 224.8
  Bottom w0.2: U7.1 194.55,89.44 193.57,90.42 193.57,92.27 193.05,92.79 189.18,92.79 186.38,95.59 186.38,133.2 D7.1 D6.1 159.52,136.24 144.31,136.24 142,138.55 142,144.24 D5.1 125.48,145.22 123.45,147.25 123.37,147.25 121.97,148.65 D4.1 106.5,149.98 102.92,153.56 D3.1 87.49,154.74 83.87,151.12 D2.1 68.23,149.98 64.82,146.57 D1.1 33.44,145.22 U1.40
row1: length 206.6
  Top w0.2: v1(192.71,92.05) 196.07,92.05 U7.2
  Bottom w0.2: U1.4 37.55,134.59 40.37,134.59 48.21,126.75 62.97,126.75 63.55,126.17 D8.1 64.82,127.53 68.87,131.58 83.22,131.58 D9.1 83.87,132.04 87.52,135.69 D10.1 102.92,134.87 106.86,130.93 D11.1 121.97,130.04 125.84,126.17 D12.1 142.06,125.13 142.06,119.52 144.94,116.64 D13.1 D14.1 183.88,103.87 185.93,101.82 185.93,95.58 189.45,92.05 v1(192.71,92.05)
row2: length 207.1
  Top w0.2: v1(192.11,91.5) 192.11,93.53 193.11,94.52 U7.3 ; v1(53.69,107.12) 62.96,107.12 v1(62.98,107.1)
  Bottom w0.2: v1(192.11,91.5) 189.54,91.5 183.88,97.16 D21.1 D20.1 144.72,97.59 141.02,101.29 D19.1 125.54,107.12 121.97,110.69 D18.1 106.27,111.88 102.92,115.23 D17.1 87.02,116.64 83.87,113.49 D16.1 67.98,111.88 64.82,108.72 D15.1 64.8,107.1 v1(62.98,107.1) ; v1(53.69,107.12) 48.17,107.12 45.85,109.44 45.85,120.64 U1.12
row3: length 243
  Top w0.2: v1(191.59,90.9) 191.59,95.98 192.67,97.06 U7.4 ; v1(29.3,137.22) 29.3,137.23 30.08,138.02 32.34,138.02 47.18,123.18 v1(47.18,88.07)
  Bottom w0.2: v1(191.59,90.9) 191.57,90.91 190.87,90.91 189.48,89.52 189.48,84.14 D28.1 D27.1 144.29,78.54 141.02,81.81 141.02,88.07 125.32,88.07 121.97,91.42 D25.1 106.1,92.83 102.92,96.01 D24.1 87.04,97.59 83.87,94.42 D23.1 67.86,92.83 64.82,89.79 64.82,88.07 v1(47.18,88.07) ; U1.16 28.98,137.22 v1(29.3,137.22)
row4: length 281.5
  Top w0.2: U7.5 193.58,99.6 191.06,97.08 v1(191.06,90.29) ; v1(45.75,78.32) 45.75,121.98 30.93,136.79 v1(30.93,136.81)
  Bottom w0.2: v1(45.75,78.32) 45.75,71.62 48.35,69.02 D29.1 64.82,70.65 67.95,73.78 D30.1 83.87,75.41 87,78.54 D31.1 102.92,77.33 106.47,73.78 D32.1 121.97,72.57 125.52,69.02 D33.1 141.02,62.49 144.02,59.49 D34.1 D35.1 186.09,59.49 189.8,63.2 189.8,84 189.81,84.01 189.81,89.04 v1(191.06,90.29) ; v1(30.93,136.81) 30.92,136.81 29.92,137.81 28.86,137.81 U1.17
row5: length 250.2
  Top w0.2: v1(30.02,38.37) 27.62,35.97 v1(27.62,35.93)
  Bottom w0.2: D41.1 85.28,45.17 69.13,59.3 D37.1 D36.1 30.04,38.4 v1(30.02,38.37) ; U1.22 24.94,137.43 24.94,135.62 24.95,135.61 24.95,135.18 24.94,135.17 24.94,130.79 26.36,129.37 26.36,98.6 22.35,94.59 22.35,83.32 9.36,70.33 9.36,31.2 11.52,29.03 20.72,29.03 v1(27.62,35.93)
row6: length 243.7
  Top w0.2: v1(45.13,76.88) 46.28,78.03 46.28,123.62 32.4,137.49 31.63,137.49 v1(31.51,137.37) ; v1(49.07,56.49) 49.07,56.42 54.86,50.63 54.86,39.9 v1(62.17,32.59)
  Bottom w0.2: U1.18 28.48,138.14 30.92,138.14 31.51,137.55 v1(31.51,137.37) ; v1(45.13,76.88) 45.13,60.43 v1(49.07,56.49) ; D38.1 D39.1 ; D39.1 62.17,33.11 v1(62.17,32.59) ; D39.1 D40.1 89.23,26.55 89.33,26.45 89.69,26.45 ; D44.1 145.11,26.44 127.38,26.44 D43.1 126.06,26.44 108.33,26.44 D42.1 107.02,26.45 89.69,26.45 ; 89.42,26.45 89.69,26.45
SplitSerial-RX: length 26.9
  Bottom w0.2: 8.43,135.95 9.31,135.95 9.78,136.42 U5.3 10.62,135.87 12.06,135.87 21.16,144.96 26.47,144.96 U1.32 ; 8.43,135.95 8.43,135.57 8.31,135.44 7.66,135.44 ; 8.43,135.95 8.43,136.31 8.3,136.44 7.66,136.44
SplitSerial-TX: length 26.9
  Bottom w0.2: J3.B7 8.83,134.94 9.06,134.71 U5.2 10.61,135.54 12.2,135.54 21.29,144.64 26.09,144.64 U1.31 ; 7.65,135.94 7.03,135.94 6.87,135.73 6.87,135.12 7.05,134.93 7.65,134.94
SWCLK: length 26.2
  Top w0.2: J2.2 17.74,151.88 19.93,149.68 29.57,149.68 v1(33.01,146.24)
  Bottom w0.2: v1(33.01,146.24) 32.84,146.07 32.84,145.99 31.58,144.73 U1.38
SWD: length 25.3
  Top w0.2: J2.3 15.31,153.84 19.8,149.35 28.98,149.35 v1(32.22,146.11)
  Bottom w0.2: v1(32.22,146.11) 31.18,145.08 U1.37
Net-(D1-A): length 5
  Bottom w0.2: D1.2 64.72,148.42 59.87,148.42
Net-(D2-A): length 5
  Bottom w0.2: D2.2 83.77,153.18 78.92,153.18
Net-(D3-A): length 5
  Bottom w0.2: D3.2 102.82,157.95 97.97,157.95
Net-(D4-A): length 5
  Bottom w0.2: D4.2 121.87,153.18 117.02,153.18
Net-(D5-A): length 5
  Bottom w0.2: D5.2 140.92,148.42 136.07,148.42
Net-(D6-A): length 5
  Bottom w0.2: D6.2 159.97,138.9 155.12,138.9
Net-(D7-A): length 5
  Bottom w0.2: D7.2 183.78,138.9 178.9,138.9
Net-(D8-A): length 5
  Bottom w0.2: 59.87,129.37 64.72,129.37 D8.2
Net-(D9-A): length 5
  Bottom w0.2: D9.2 83.77,134.13 78.92,134.13
Net-(D10-A): length 5
  Bottom w0.2: 97.97,138.9 102.82,138.9 D10.2
Net-(D11-A): length 5
  Bottom w0.2: D11.2 121.87,134.13 117.02,134.13
Net-(D12-A): length 5
  Bottom w0.2: 136.07,129.37 140.92,129.37 D12.2
Net-(D13-A): length 5
  Bottom w0.2: 155.12,119.85 159.97,119.85 D13.2
Net-(D14-A): length 5
  Bottom w0.2: D14.2 183.78,119.85 178.9,119.85
Net-(D15-A): length 5
  Bottom w0.2: 64.82,110.42 64.72,110.32 59.87,110.32
Net-(D16-A): length 5
  Bottom w0.2: D16.2 83.77,115.08 78.92,115.08
Net-(D17-A): length 5
  Bottom w0.2: 97.97,119.85 102.82,119.85 D17.2
Net-(D18-A): length 5
  Bottom w0.2: 117.02,115.08 121.87,115.08 D18.2
Net-(D19-A): length 5
  Bottom w0.2: 136.07,110.32 140.92,110.32 141.02,110.42
Net-(D20-A): length 5
  Bottom w0.2: 155.12,100.8 159.97,100.8 D20.2
Net-(D21-A): length 5
  Bottom w0.2: 178.9,100.8 183.78,100.8 D21.2
Net-(D22-A): length 5
  Bottom w0.2: 59.87,91.27 64.72,91.27 D22.2
Net-(D23-A): length 5
  Bottom w0.2: D23.2 83.77,96.03 78.92,96.03
Net-(D24-A): length 5
  Bottom w0.2: D24.2 102.82,100.8 97.97,100.8
Net-(D25-A): length 5
  Bottom w0.2: 117.02,96.03 121.87,96.03 D25.2
Net-(D26-A): length 5
  Bottom w0.2: 136.07,91.27 140.92,91.27 D26.2
Net-(D27-A): length 5
  Bottom w0.2: 155.12,81.75 159.97,81.75 D27.2
Net-(D28-A): length 5
  Bottom w0.2: D28.2 183.78,81.75 178.9,81.75
Net-(D29-A): length 5
  Bottom w0.2: 59.87,72.22 64.72,72.22 64.82,72.32
Net-(D30-A): length 5
  Bottom w0.2: D30.2 83.77,76.98 78.92,76.98
Net-(D31-A): length 5
  Bottom w0.2: D31.2 102.82,81.75 97.97,81.75
Net-(D32-A): length 5
  Bottom w0.2: 117.02,76.98 121.87,76.98 D32.2
Net-(D33-A): length 5
  Bottom w0.2: 141.02,72.32 140.92,72.22 136.07,72.22
Net-(D34-A): length 5
  Bottom w0.2: D34.2 159.97,62.7 155.12,62.7
Net-(D35-A): length 5
  Bottom w0.2: 178.9,62.7 183.78,62.7 D35.2
Net-(D36-A): length 5
  Bottom w0.2: D36.2 27.91,43.37 24.19,40.25
Net-(D37-A): length 5
  Bottom w0.2: D37.2 45.72,56.06 41.74,53.27
Net-(D38-A): length 5
  Bottom w0.2: 39.48,21.99 43.22,25.13 D38.2
Net-(D39-A): length 5
  Bottom w0.2: 55.38,33.75 59.37,36.55 D39.2
Net-(D40-A): length 5
  Bottom w0.2: D40.2 76.46,46.63 72.23,44.19
Net-(D41-A): length 5
  Bottom w0.2: 121.78,48.41 126.63,48.41 D41.2
Net-(D42-A): length 5.4
  Bottom w0.2: D42.2 103.75,30.4 102.7,29.36
Net-(D43-A): length 5.4
  Bottom w0.2: 121.78,29.36 122.82,30.4 D43.2
Net-(D44-A): length 5.4
  Bottom w0.2: 140.83,29.36 141.87,30.4 D44.2
Net-(D45-K): length 26.6
  Bottom w0.2: 23.69,127.24 23.69,125.8 22.35,124.47 17.45,124.47 17.45,122.65 15.24,120.44 RESET1.2 RESET1.2
Net-(J1-CC1): length 2.9
  Bottom w0.2: J1.A5 29.02,156.07 28.53,155.58 R1.2
Net-(J1-CC2): length 4
  Bottom w0.2: R2.1 32.74,156.04 31.89,156.89 J1.B5
Net-(LED1-DIN): length 15
  Bottom w0.2: LED2.2 65.36,163.38 64.17,162.19 61.31,162.19 LED1.3
Net-(LED2-DIN): length 15
  Bottom w0.2: LED2.3 79.78,166.37 82.96,166.37 84.73,168.14 LED3.2
Net-(LED3-DIN): length 18.8
  Bottom w0.2: LED3.3 98.84,171.14 101.74,171.14 106.1,166.78 106.1,164.47 107.19,163.38 LED4.2
